# Allegro board 08_038702e.brd (continued)
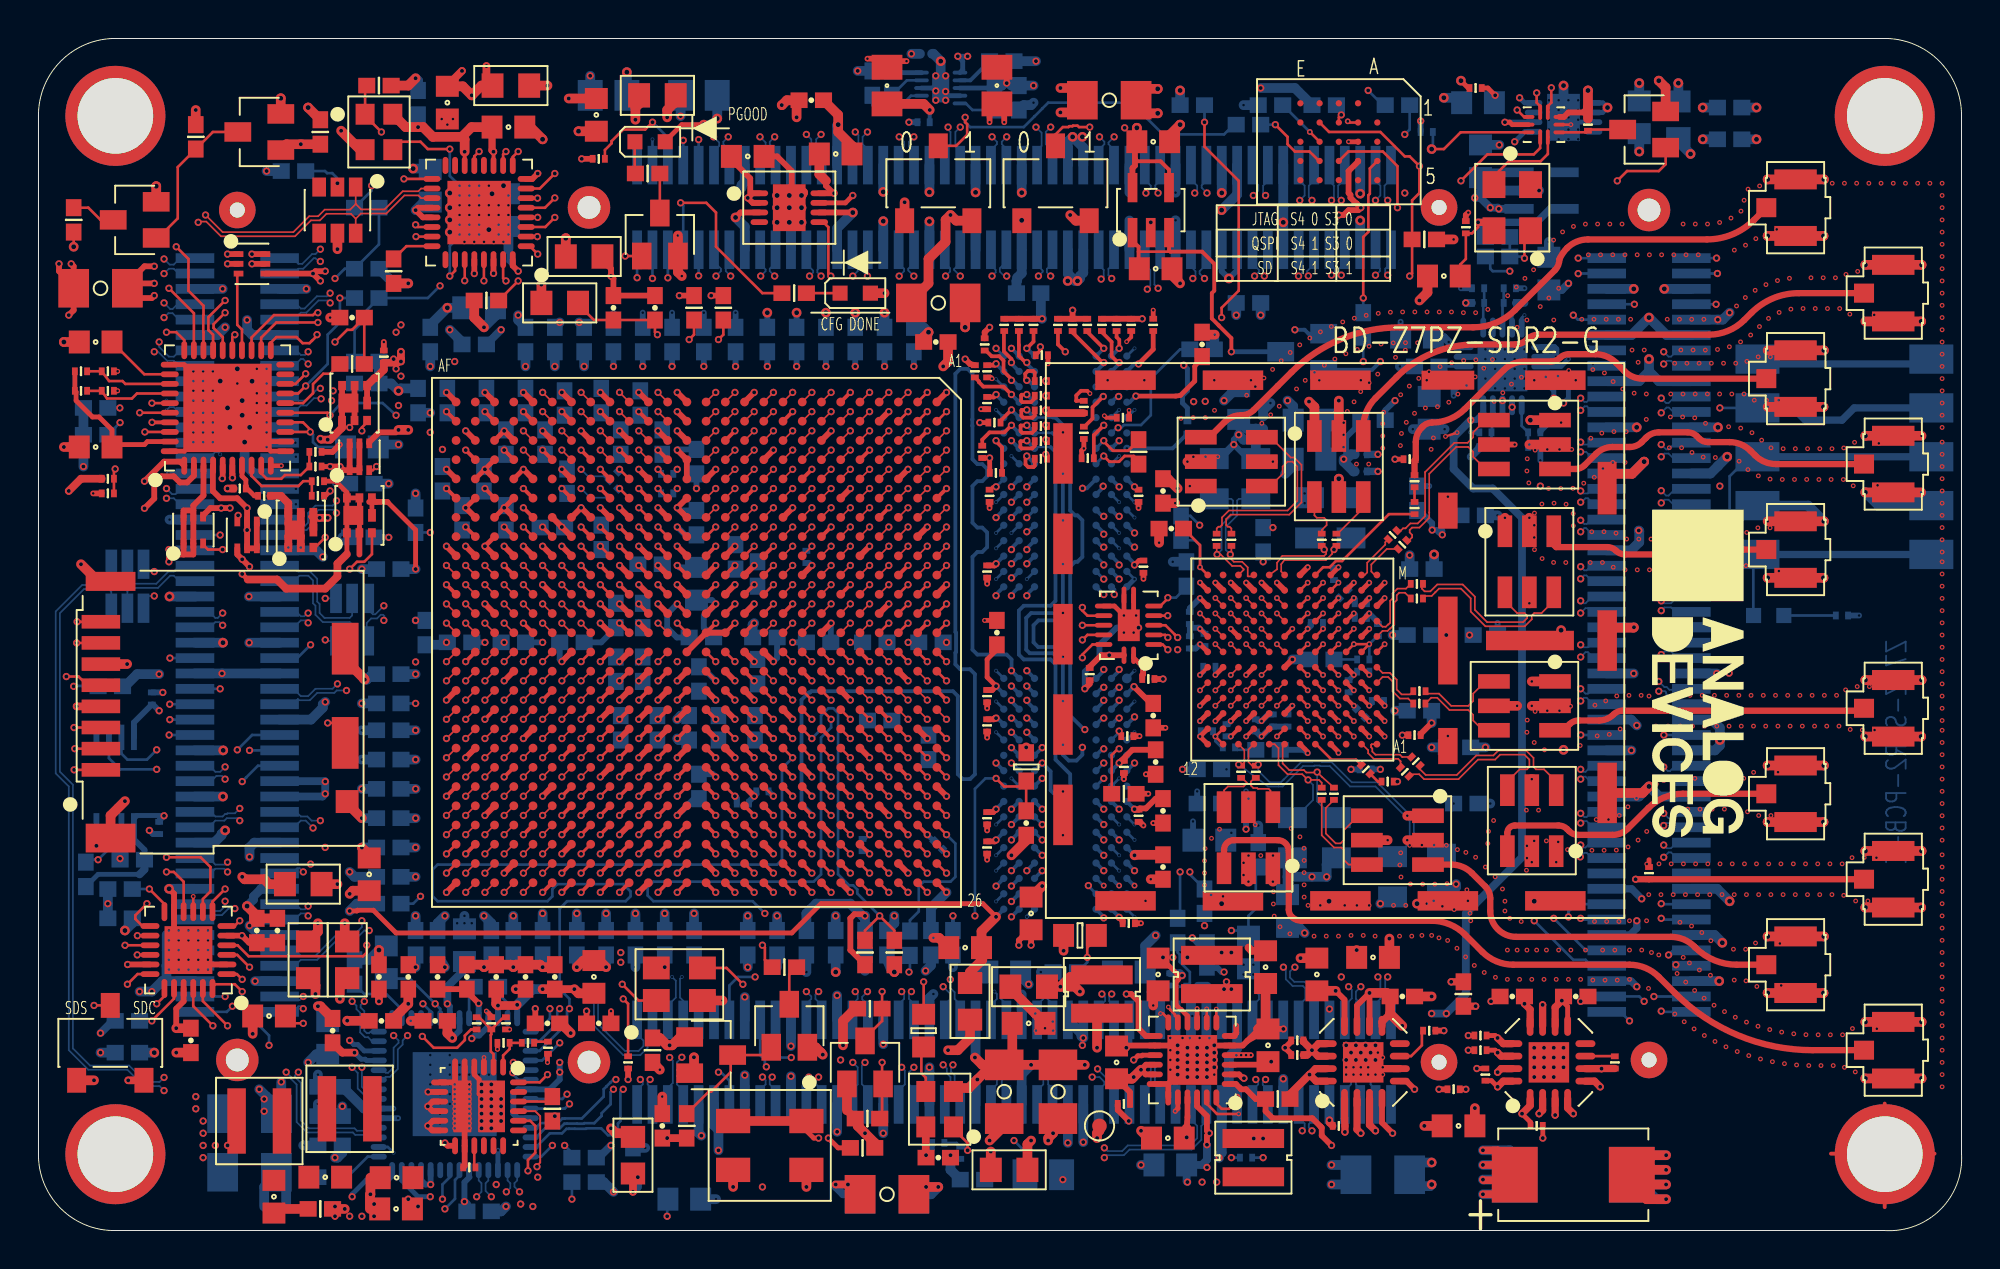
[diagram p0: board, top side]
## Routing (per net, layer and track width the routed paths; a pad name or vN(x,y) marks a point on that pad's centre or on a via; arc(x,y) is an arc through that point) (continued)
  BOTTOM w0.152: U2.F3 v1(52.19,20.31)
DDR3_DQS1_N: length 43.8
  TOP w0.152: U1.L25 v1(37.22,18.59)
  L4_SIG w0.13: v1(54.59,17.94) 54.59,17.91 54.92,17.59 54.92,17.25 54.54,16.87 53.52,16.87 53.14,16.49 53.14,15.85 53.52,15.47 57.44,15.47 57.97,16 57.97,17.43 58.2,17.66 58.62,17.66 58.85,17.43 58.85,15.07 58.62,14.84 57.48,14.84 56.46,13.83 49.05,13.83 48.67,14.21 37.62,14.21 36.5,15.33 36.5,16.51 37.22,17.23 37.36,17.23 37.57,17.44 37.57,17.74 37.41,17.9 37.41,18.16 37.77,18.52 37.77,19 37.64,19.12 37.46,19.12 37.22,18.87 v1(37.22,18.59)
  BOTTOM w0.152: v1(54.59,17.94) 54.59,17.91 U2.B7
DDR3_DQS1_P: length 43.9
  TOP w0.152: U1.L24 v1(37.22,19.59)
  L4_SIG w0.13: v1(37.22,19.59) 37.22,19.24 36.88,18.9 36.88,18.78 36.85,18.74 36.85,18.44 36.88,18.4 36.88,17.78 36.85,17.74 36.85,17.22 36.25,16.62 36.25,15.22 37.52,13.95 48.57,13.95 48.95,13.57 56.57,13.57 57.58,14.59 58.73,14.59 59.11,14.97 59.11,17.53 58.73,17.91 58.09,17.91 57.71,17.53 57.71,16.11 57.33,15.73 53.63,15.73 53.39,15.96 53.39,16.39 53.63,16.62 54.64,16.62 55.17,17.15 55.17,17.69 55.39,17.91 v6(55.39,17.94)
  BOTTOM w0.152: v6(55.39,17.94) 55.37,17.94 U2.C7
DDR3_DQS2_N: length 46
  TOP w0.152: U1.R25 v1(32.22,18.59)
  L3_SIG w0.13: v1(32.22,18.59) 32.57,17.98 32.57,17.25 32.95,16.87 33.56,16.87 34.22,17.53 34.22,20.1 35.07,20.95 37.36,20.95 37.6,20.71 37.6,20.65 37.6,20.33 37.86,20.07 37.86,20.07 37.96,19.98 37.97,19.98 38,19.95 38.36,19.95 38.6,19.71 38.6,19.33 38.96,18.98 39.33,18.98 39.6,18.71 39.6,18.33 39.99,17.95 40.36,17.95 40.57,17.74 40.57,17.26 40.97,16.87 44.36,16.87 44.83,17.33 44.83,17.74 45.07,17.98 45.47,17.98 45.83,18.33 45.83,18.74 46.07,18.98 46.47,18.98 46.83,19.33 46.83,19.62 46.86,19.65 46.86,19.74 47.07,19.95 47.15,19.95 47.18,19.98 47.47,19.98 47.83,20.33 47.83,20.62 49.33,22.13 49.33,30.08 52.25,33 52.25,37.3 51.67,37.88 v1(51.39,37.88)
  BOTTOM w0.152: U3.G3 v1(51.39,37.88)
DDR3_DQS2_P: length 45.9
  TOP w0.152: U1.P25 v1(33.22,18.59)
  L3_SIG w0.13: v1(51.39,37.08) 51.22,37.08 51.11,37.19 51.11,37.38 51.21,37.47 51.71,37.47 52,37.19 52,33.11 49.07,30.19 49.07,22.23 47.57,20.73 47.57,20.44 47.36,20.23 47.07,20.23 47.04,20.2 46.96,20.2 46.6,19.84 46.6,19.76 46.57,19.73 46.57,19.44 46.36,19.23 45.96,19.23 45.57,18.84 45.57,18.44 45.36,18.23 44.96,18.23 44.57,17.84 44.57,17.44 44.26,17.13 41.07,17.13 40.83,17.37 40.83,17.84 40.47,18.2 40.1,18.2 39.86,18.44 39.86,18.81 39.44,19.23 39.07,19.23 38.86,19.44 38.86,19.81 38.47,20.2 38.1,20.2 38.07,20.23 38.07,20.23 37.86,20.44 37.86,20.45 37.86,20.81 37.47,21.2 34.96,21.2 33.96,20.2 33.96,17.63 33.45,17.13 33.05,17.13 32.83,17.35 32.83,18.64 32.95,18.75 33.05,18.75 v1(33.22,18.59)
  BOTTOM w0.152: U3.F3 v1(51.39,37.08)
DDR3_DQS3_N: length 43.6
  TOP w0.152: U1.W25 v1(28.22,18.59)
  L18_SIG w0.13: v1(55.39,33.88) 55.13,34.14 54.16,34.14 53.92,33.91 53.92,31.39 53.39,30.86 53.39,29.45 53.39,29.45 53.39,23.98 52.81,23.4 52.81,23.26 52.45,22.9 49.54,22.9 47.46,24.98 40.01,24.98 39.83,24.79 39.83,24.33 39.44,23.94 39.07,23.94 38.83,23.71 38.83,23.33 38.47,22.98 34.84,22.98 34.39,22.52 34.39,21.9 33.83,21.34 33.83,21.33 33.47,20.98 33.09,20.98 32.83,20.71 32.83,20.55 32.83,20.55 32.83,20.33 32.47,19.98 32.22,19.98 32.19,19.94 32.07,19.94 31.86,19.74 31.86,19.55 31.83,19.52 31.83,19.33 31.78,19.29 31.78,19.23 31.49,18.95 31.31,18.95 31.29,18.96 28.59,18.96 v1(28.22,18.59)
  BOTTOM w0.152: U3.B7 v1(55.39,33.88)
DDR3_DQS3_P: length 43.6
  TOP w0.152: U1.W24 v1(28.22,19.59)
  L18_SIG w0.13: v1(28.22,19.59) 28.59,19.22 31.35,19.22 31.57,19.44 31.57,19.69 31.6,19.72 31.6,19.84 31.96,20.2 32.08,20.2 32.11,20.23 32.36,20.23 32.57,20.44 32.57,20.82 32.99,21.23 33.36,21.23 33.57,21.44 33.57,21.45 34.13,22.01 34.13,22.63 34.73,23.23 38.36,23.23 38.57,23.44 38.57,23.81 38.96,24.2 39.33,24.2 39.57,24.44 39.57,24.9 39.91,25.23 47.57,25.23 49.64,23.16 52.34,23.16 52.55,23.37 52.55,23.5 53.14,24.09 53.14,29.55 53.14,29.55 53.14,30.97 53.67,31.5 53.67,34.02 54.05,34.4 55.11,34.4 55.33,34.61 v1(55.39,34.61)
  BOTTOM w0.152: v1(55.39,34.61) 55.39,34.68 U3.C7
DDR3_ODT: length 52.6
  TOP w0.197: U1.Y22 v1(27.22,21.59) ; R162.1 50.1,40.73 49.79,41.04 v1(49.79,41.08)
  L3_SIG w0.14: v1(49.79,24.31) 49.79,24.32 50.22,24.75 52.38,24.75 53.46,25.83 53.46,32.49 53.63,32.67 53.63,32.73 53.9,33 53.9,37.95 51.94,39.92 50.95,39.92 v1(49.79,41.08)
  L18_SIG w0.14: v1(27.22,21.59) 27.22,21.59 27.61,21.19 29.39,21.19 29.85,21.66 29.85,21.74 30.07,21.95 30.09,21.95 30.58,22.44 30.58,22.5 31.3,23.23 31.37,23.23 31.58,23.44 31.58,23.5 32.3,24.23 32.37,24.23 32.58,24.44 32.58,24.5 33.07,25 38.14,25 38.58,25.44 38.58,25.68 39.12,26.23 39.37,26.23 39.58,26.44 39.58,26.68 40.06,27.16 47.16,27.16 47.58,26.74 47.58,26.53 v1(49.79,24.31)
  BOTTOM w0.197: U3.K1 v1(49.79,41.08) ; U2.K1 v1(49.79,24.31)
DDR3_RAS#: length 54.3
  TOP w0.197: U1.V23 v1(29.22,20.59) ; v1(51.39,40.28) 51.32,40.21 51.32,39.85 51.46,39.71 51.74,39.71 51.8,39.77 R156.1
  L3_SIG w0.14: v1(51.39,40.28) 51.86,40.75 53.14,40.75 53.9,39.99 53.9,38.59 53.93,38.56 53.93,38.45 54.28,38.1 54.28,33 53.9,32.62 53.9,27.41 53.72,27.24 53.72,25.08 52.19,23.55 v1(52.19,23.51)
  L14_SIG w0.14: v1(52.19,23.51) 51.62,23.51 51.54,23.59 51.54,23.79 51.64,23.89 51.64,24.08 51.46,24.27 51.26,24.27 51.1,24.11 50.9,24.11 49.94,23.15 48.77,23.15 47.93,23.99 37.98,23.99 37.87,24.11 37.2,24.11 37.09,24.23 37.07,24.23 36.85,24.44 36.85,24.46 36.37,24.95 35.07,24.95 34.85,24.74 34.85,24.12 34.59,23.85 33.96,23.22 30.28,23.22 29.77,22.71 29.77,21.19 29.9,21.06 30.41,21.06 30.66,20.81 30.66,20.3 30.41,20.05 30.14,20.05 29.6,20.59 v1(29.22,20.59)
  BOTTOM w0.197: U2.J3 v1(52.19,23.51) ; U3.J3 v1(51.39,40.28)
DDR3_RST#: length 86.1
  TOP w0.197: R133.1 52.1,45.76 v1(52.1,45.96) ; U1.H22 v1(40.22,21.59)
  L15_SIG w0.14: v1(52.1,45.96) 51.64,45.5 50.97,45.5 50.6,45.88 v1(50.59,45.88)
  L18_SIG w0.14: v1(50.59,45.88) 50.13,46.34 49.33,46.34 48.69,45.7 48.69,45.07 47.93,44.3 47.93,34.14 49.58,32.49 49.58,30.58 50.59,29.57 v1(50.59,29.11)
  BOTTOM w0.197: v1(40.22,21.59) 40.22,21.67 39.68,22.21 39.68,27.6 40.05,27.98 40.11,27.98 40.18,28.05 47.55,28.05 47.8,27.79 47.8,23.73 48.06,23.48 48.44,23.48 48.69,23.73 48.69,28.94 48.44,29.19 47.93,29.19 47.68,29.45 47.68,30.05 47.71,30.09 47.71,31.09 47.68,31.12 47.68,44.56 47.93,44.81 48.31,44.81 48.57,44.56 48.57,42.19 48.56,42.18 48.56,41.86 48.57,41.85 48.57,40.11 48.82,39.86 49.07,39.86 49.33,39.61 49.33,39.22 49.07,38.97 48.82,38.97 48.57,38.72 48.57,36.81 48.82,36.56 49.07,36.56 49.33,36.3 49.33,35.54 49.07,35.29 48.82,35.29 48.57,35.03 48.57,30.21 48.82,29.95 50.34,29.95 50.6,29.7 50.6,29.12 v1(50.59,29.11) U2.T2 ; v1(50.59,45.88) U3.T2
DDR3_WE#: length 60.5
  TOP w0.197: U1.V22 v1(29.22,21.59) ; R155.1 51.8,41.62 51.67,41.49 51.16,41.49 51.07,41.57 51.07,41.85 51.08,41.87 51.38,41.87 v1(51.39,41.88)
  L7_SIG w0.14: v1(52.19,25.11) 52.02,24.94 51.93,24.94 51.67,24.68 49.64,24.68 49.18,24.22 43.95,24.22 43.7,23.96 43.08,23.96 42.85,23.74 42.85,23.72 42.09,22.95 42.07,22.95 41.85,22.74 41.85,22.72 41.09,21.95 41.07,21.95 40.85,21.74 40.85,21.72 40.09,20.95 40.07,20.95 39.85,20.74 39.85,20.72 39.09,19.95 39.07,19.95 38.85,19.74 38.85,19.72 38.37,19.23 37.37,19.23 37.16,19.02 36.13,19.02 35.58,18.46 35.58,18.44 35.37,18.23 35.34,18.23 34.85,17.74 34.85,16.75 34.45,16.35 34.45,16.34 34.09,15.98 32.95,15.98 32.83,15.86 31.8,15.86 31.55,16.11 30.79,16.11 29.59,17.31 29.59,21.22 v1(29.22,21.59)
  L17_SIG w0.14: v1(52.19,25.11) 52.21,25.13 v1(54.28,25.13)
  BOTTOM w0.127: 52.73,41.48 52.53,41.48 52.52,41.49 52.23,41.49 52.22,41.48 U3.L3
  BOTTOM w0.197: v1(54.28,25.13) 54.28,24.75 53.98,24.44 53.57,24.44 53.27,24.75 53.27,29.7 53.01,29.95 52.83,29.95 52.76,30.02 51.54,30.02 51.36,30.21 51.36,31.86 51.61,32.11 53.01,32.11 53.27,32.37 53.27,40.94 52.73,41.48 ; v1(51.39,41.88) U3.L3 ; U2.L3 v1(52.19,25.11)
DX_0_N: length 57.8
  TOP w0.089: U1.R13 v1(32.22,31.59)
  L15_SIG w0.089: v1(32.22,31.59) 32.18,31.56 32.18,30.97 32.44,30.72 33.58,30.72 34.47,31.6 34.47,32.68 34.97,33.18 35.28,33.18 35.63,33.52 35.63,33.83 35.97,34.18 36.28,34.18 36.63,34.52 36.63,34.83 36.97,35.18 37.28,35.18 37.55,35.45 37.55,35.76 37.97,36.18 39.28,36.18 39.55,36.45 39.55,36.76 39.97,37.18 40.28,37.18 40.63,37.52 40.63,37.83 40.97,38.18 41.28,38.18 41.63,38.52 41.63,38.83 41.97,39.18 42.28,39.18 42.55,39.45 42.55,39.76 42.97,40.18 44.28,40.18 44.55,40.45 44.55,43.97 44.99,44.41 48.57,44.41 48.95,44.79 48.95,45.87 49.54,46.46 49.55,46.47 50.04,46.47 50.04,46.46 50.34,46.46 50.35,46.47 50.84,46.47 50.84,46.46 51.14,46.46 51.15,46.47 51.78,46.47 51.85,46.55 52.34,46.55 52.42,46.46 55.14,46.46 55.15,46.47 55.64,46.47 55.64,46.46 55.94,46.46 55.95,46.47 56.44,46.47 56.44,46.46 65.15,46.46 65.35,46.25 65.69,46.25 65.9,46.47 67.64,46.47 68.25,47.08 68.25,50.63 68.91,51.29 69.9,51.29 70.16,51.04 v1(70.16,49.69)
  BOTTOM w0.089: v1(70.16,49.69) 70.03,49.81 70.03,50.02 70.33,50.32 JX1.100
DX_0_P: length 57.8
  TOP w0.089: U1.R14 v1(32.22,29.59)
  L15_SIG w0.089: v1(69.52,49.69) 69.78,49.94 69.78,50.18 69.71,50.25 69.6,50.25 69.53,50.31 69.53,50.52 69.62,50.6 69.72,50.6 69.9,50.78 69.9,50.93 69.8,51.04 69.01,51.04 68.51,50.53 68.51,46.97 67.75,46.22 66.01,46.22 65.79,46 65.25,46 65.04,46.21 56.34,46.21 56.33,46.21 56.05,46.21 56.05,46.21 55.54,46.21 55.53,46.21 55.25,46.21 55.25,46.21 52.32,46.21 52.24,46.29 51.96,46.29 51.88,46.21 51.25,46.21 51.25,46.21 50.74,46.21 50.73,46.21 50.45,46.21 50.45,46.21 49.94,46.21 49.93,46.21 49.65,46.21 49.65,46.21 49.2,45.76 49.2,44.69 48.67,44.16 45.1,44.16 44.81,43.87 44.81,40.34 44.39,39.92 43.08,39.92 42.88,39.73 42.88,39.42 42.39,38.92 42.08,38.92 41.88,38.73 41.88,38.42 41.39,37.92 41.08,37.92 40.88,37.73 40.88,37.42 40.39,36.92 40.08,36.92 39.88,36.73 39.88,36.42 39.39,35.92 38.08,35.92 37.88,35.73 37.88,35.42 37.39,34.92 37.08,34.92 36.88,34.73 36.88,34.42 36.39,33.92 36.08,33.92 35.88,33.73 35.88,33.42 35.39,32.92 35.08,32.92 34.72,32.57 34.72,31.5 33.69,30.46 32.56,30.46 32.18,30.08 32.18,29.62 v1(32.22,29.59)
  BOTTOM w0.089: v1(69.52,49.69) 69.54,49.69 69.75,49.89 69.75,50.02 69.53,50.24 JX1.98
ETH_MD1_N: length 31.4
  L7_SIG w0.089: v1(16.31,11.92) 16.31,12.94 15.17,14.08 15.17,17.56 14.96,17.77 14.96,18.26 15.17,18.47 15.17,19.01 15.67,19.52 15.67,26.55 15.44,26.78 14.55,26.78 11.63,29.7 9.22,29.7 8.43,30.48 8.43,31.58 8.96,32.11 v1(9.58,32.11)
  BOTTOM w0.089: JX3.53 8.88,32.17 9.2,31.86 9.32,31.86 v1(9.58,32.11) ; U10.27 17.35,9.84 17.14,10.05 16.98,10.05 16.73,10.31 16.73,11.32 16.54,11.51 16.54,11.69 v1(16.31,11.92)
ETH_MD1_P: length 31.5
  L7_SIG w0.089: v1(9.58,31.48) 9.32,31.73 8.94,31.73 8.69,31.48 8.69,30.59 9.32,29.95 11.74,29.95 14.66,27.03 15.55,27.03 15.93,26.65 15.93,19.41 15.42,18.9 15.42,18.36 15.21,18.15 15.21,17.88 15.42,17.67 15.42,14.18 16.56,13.04 16.56,12.14 16.64,12.06 16.64,11.65 16.72,11.57 16.85,11.57 16.94,11.67 v1(16.94,11.92)
  BOTTOM w0.089: v1(9.58,31.48) 9.41,31.64 9.2,31.64 8.93,31.37 JX3.51 ; U10.28 17.27,10.34 17.2,10.27 17.07,10.27 16.94,10.4 16.94,11.41 16.75,11.6 16.75,11.73 v1(16.94,11.92)
ETH_MD2_N: length 29.7
  L7_SIG w0.089: v1(19.19,10.14) 19.19,10.56 18.59,11.16 18.59,11.57 18.8,11.78 18.8,12.06 18.59,12.27 18.59,28.56 15.17,31.99 14.15,31.99 v1(14.02,32.11)
  BOTTOM w0.089: v1(14.02,32.11) 13.98,32.11 13.82,31.95 13.64,31.95 13.42,32.17 JX3.54 ; U10.23 17.91,7.84 18.05,7.99 18.27,7.99 18.68,8.4 18.68,9.42 18.94,9.67 18.94,9.89 v1(19.19,10.14)
ETH_MD2_P: length 29.7
  L7_SIG w0.089: v1(14.02,31.6) 14.15,31.73 15.06,31.73 18.34,28.45 18.34,12.27 18.13,12.06 18.13,11.78 18.34,11.57 18.34,11.05 18.84,10.55 18.84,10.01 18.72,9.89 18.6,9.89 18.47,10.02 v1(18.47,10.14)
  BOTTOM w0.089: v1(18.47,10.14) 18.72,9.89 18.72,9.76 18.47,9.51 18.47,8.49 18.18,8.2 18.06,8.2 17.92,8.34 U10.24 ; v1(14.02,31.6) 13.9,31.73 13.64,31.73 13.28,31.37 JX3.52
ETH_MD3_N: length 43.8
  L7_SIG w0.089: v1(6.02,34.27) 6.02,34.02 5.89,33.89 4.24,33.89 3.65,33.3 3.65,27.62 5.26,26.02 5.26,23.73 7.8,21.19 7.8,14.46 8.05,14.21 11.61,14.21 11.86,13.95 11.86,10.54 12.37,10.04 12.37,9.33 11.91,8.86 11.91,7.53 12.59,6.84 14.91,6.84 15.67,7.6 15.67,8.44 15.76,8.53 15.89,8.53 15.93,8.49 v1(16.31,8.49)
  BOTTOM w0.089: JP2.1 5.46,34.53 5.72,34.27 v1(6.02,34.27) ; v1(16.31,8.49) 16.6,8.2 16.6,7.39 16.98,7 17.14,7 17.3,6.84 U10.21
ETH_MD3_P: length 43.8
  L7_SIG w0.089: v1(16.82,8.49) 16.74,8.57 16.74,8.72 16.63,8.83 15.93,8.83 15.89,8.79 15.66,8.79 15.42,8.55 15.42,7.71 14.81,7.09 12.7,7.09 12.16,7.63 12.16,8.76 12.63,9.22 12.63,10.14 12.12,10.65 12.12,14.06 11.71,14.46 8.16,14.46 8.05,14.56 8.05,21.3 5.51,23.84 5.51,26.12 3.91,27.73 3.91,33.19 4.35,33.64 5.89,33.64 6.02,33.51 v1(6.02,33)
  BOTTOM w0.089: JP1.1 5.46,32.82 5.64,33 v1(6.02,33) ; v1(16.82,8.49) 16.82,7.48 17.07,7.22 17.2,7.22 17.32,7.34 U10.22
ETH_MD4_N: length 39.8
  L7_SIG w0.089: v1(12.88,8.24) 12.88,8.57 13.07,8.76 13.07,12.39 12.75,12.7 12.75,18.84 13.07,19.16 13.07,24.32 11,26.4 10.47,26.4 v3(10.34,26.27)
  L17_SIG w0.089: v1(14.91,32.87) 14.91,32.01 15,31.92 15.19,31.92 15.26,31.86 16.16,31.86 16.56,31.46 16.56,30.36 15.91,29.7 15.27,29.7 11.97,26.4 10.8,26.4 10.67,26.27 v3(10.34,26.27)
  BOTTOM w0.089: JP4.1 v1(14.91,32.87) ; U10.17 17.27,4.84 17.14,4.97 16.47,4.97 16.35,5.1 13.97,5.1 13.43,5.64 13.43,7.59 13.13,7.89 13.13,7.99 v1(12.88,8.24)
ETH_MD4_P: length 39.8
  L7_SIG w0.089: v1(13.51,8.24) 13.51,8.57 13.32,8.76 13.32,12.49 13.01,12.81 13.01,18.74 13.32,19.05 13.32,24.43 11.1,26.65 10.47,26.65 v3(10.34,26.78)
  L17_SIG w0.089: v3(10.34,26.78) 10.67,26.78 10.8,26.65 11.86,26.65 15.17,29.95 15.8,29.95 16.31,30.46 16.31,31.35 16.05,31.6 15.15,31.6 15.09,31.67 14.72,31.67 14.4,31.35 14.4,30.97 14.66,30.72 v1(14.91,30.72)
  BOTTOM w0.089: JP3.1 14.96,30.66 v1(14.91,30.72) ; U10.18 17.35,5.34 17.2,5.19 16.56,5.19 16.44,5.32 14.06,5.32 13.64,5.73 13.64,7.68 13.34,7.98 13.34,8.07 v1(13.51,8.24)
ETH_PHY_LED0: length 26.6
  TOP w0.14: R18.2 v5(1.83,51.16)
  L17_SIG w0.095: v1(6.84,29.77) 6.84,31.53 7.29,31.99 7.29,36.05 6.02,37.32 6.02,37.7 5.01,38.72 3.74,38.72 3.23,39.22 3.23,49.77 v5(1.83,51.16)
  BOTTOM w0.14: JX3.47 v1(6.84,29.77)
ETH_PHY_LED1: length 40.1
  TOP w0.14: v1(37.64,14.84) 37.77,14.71 37.77,14.08 R17.2
  L7_SIG w0.095: v1(19.61,29.57) 19.1,29.06 19.1,27.16 20.12,26.14 25.2,26.14 25.71,25.64 25.71,25.3 26,25 26.34,25 26.6,24.75 26.6,17 28.12,15.48 31.17,15.48 31.8,14.84 v1(37.64,14.84)
  L14_SIG w0.095: v1(14.15,30.46) 14.66,29.95 19.23,29.95 v1(19.61,29.57)
  BOTTOM w0.14: v1(14.15,30.46) 13.46,29.77 JX3.48
FB0V95: length 4.1
  TOP w0.14: R302.2 24.18,11.09 R303.1 ; R302.2 23.55,10.2 23.52,10.17 23.52,9.32 23.66,9.17 U18.2 ; R302.2 22.91,11.09 R49.2
FB1V0: length 5.9
  TOP w0.14: v2(58.75,11.62) 58.75,11.6 58.85,11.5 58.85,11.48 59.1,11.23 59.1,11.17 59.25,11.02 U4.11
  L2_GND w0.203: v2(58.75,11.62) 58.73,11.65 58.73,11.79 v3(58.54,11.98)
  L19_GND w0.203: v4(59.23,12.68) v3(58.54,11.98)
  BOTTOM w0.14: R47.2 59.23,14.46 59.34,14.36 59.34,13.97 59.87,13.44 59.87,12.87 R20.1 v4(59.23,12.68) 59.17,12.74 R23.1
FB1V8: length 24.6
  TOP w0.14: v2(62.41,6.06) 61.28,6.06 60.75,6.6 U4.23
  L2_GND w0.203: v2(62.41,6.06) v3(62.9,6.06)
  L3_SIG w0.095: v1(62.03,15.6) 62.5,15.13 65.14,15.13 66,14.27 66,13.51 65.2,12.71 65.2,8.87 64.31,7.98 64.31,7.47 v3(62.9,6.06)
  L15_SIG w0.095: v3(62.9,6.06) 62.03,5.19 v1(62.03,3.79)
  BOTTOM w0.14: R46.2 v1(62.03,3.79) ; R22.1 63.3,18.78 63.3,16.75 62.92,16.36 R25.1 62.83,15.31 62.54,15.6 v1(62.03,15.6)
FB1V35: length 14.7
  TOP w0.14: R24.1 55.01,15.18 54.54,14.71 v1(54.54,14.21) ; U4.8 v2(60.75,11.53)
  L2_GND w0.203: v3(60.25,12.55) 60.25,12.05 60.75,11.55 v2(60.75,11.53)
  L7_SIG w0.095: v3(60.25,12.55) 60.25,13.32 60.63,13.7 v1(60.63,15.86)
  L15_SIG w0.095: v3(60.25,12.55) 59.49,12.55 58.35,13.7 55.42,13.7 54.92,14.21 v1(54.54,14.21)
  BOTTOM w0.14: R48.2 v1(60.63,15.86) ; v1(54.54,14.21) 54.54,13.95 R21.1
FB_0V95: length 70.1
  TOP w0.14: R49.1 22.49,10.46 22.17,10.14 22.17,9.91 21.77,9.51 20.55,9.51 v1(19.96,10.1)
  L18_SIG w0.095: v1(15.42,49.51) 16.82,48.11 16.82,43.42 16.18,42.78 14.53,42.78 13.75,43.56 9.6,43.56 7.93,41.89 7.93,25.38 7.8,25.25 7.8,12.43 8.43,11.79 8.43,10.27 8.56,10.14 10.21,10.14 10.97,10.9 11.86,10.9 12.37,10.4 16.56,10.4 17.2,11.03 19.03,11.03 v1(19.96,10.1)
  BOTTOM w0.14: R45.2 17.71,51.29 C215.1 15.93,50.02 v1(15.42,49.51)
FB_1V0: length 87
  TOP w0.14: R42.2 C209.1 16.31,46.84 16.05,46.84 v1(15.42,46.21)
  L3_SIG w0.095: v3(59.87,47.48) 60,47.35 60,44.69 59.49,44.18 59.49,43.8 58.22,42.53 58.22,30.21 58.85,29.57 58.85,28.18 58.35,27.67 58.35,23.6 59.49,22.46 59.49,21.98 59.61,21.86 59.61,21.54 59.49,21.42 59.49,20.3 58.85,19.67 58.85,19.16 v1(59.36,18.65)
  L6_SIG w0.095: v3(59.87,47.48) 58.98,48.37 58.98,49.38 57.35,51.02 30.37,51.02 30.25,50.91 27.36,50.91 26.72,50.27 19.74,50.27 17.71,48.24 17.71,47.48 16.44,46.21 v1(15.42,46.21)
  BOTTOM w0.14: v1(59.36,18.65) 59.36,16.36 R47.1
FB_1V8: length 114.4
  L3_SIG w0.095: v3(61.01,47.48) 61.14,47.35 61.14,44.69 58.73,42.27 58.73,37.07 60.72,35.07 60.72,24.24 60.63,24.15 60.63,19.79 60.89,19.54 60.89,17 61.65,16.24 62.28,16.24 63.17,15.35 65.33,15.35 66.22,14.46 66.22,12.3 65.46,11.54 65.46,7.6 64.44,6.59 64.44,4.55 v1(63.68,3.79)
  L6_SIG w0.095: v3(18.59,52.69) 20.88,54.97 24.82,54.97 25.2,54.59 29.77,54.59 32.69,51.67 59.23,51.67 61.01,49.89 v3(61.01,47.48)
  L18_SIG w0.095: v3(18.59,52.69) 17.96,52.05 17.96,48.75 19.48,47.23 19.48,44.81 19.36,44.69 19.36,42.65 19.1,42.4 v1(18.59,42.4)
  BOTTOM w0.14: v1(18.59,42.4) 17.9,43.03 R41.2 16.44,43.1 C207.1 ; v1(63.68,3.79) R46.1
FB_1V35: length 79.9
  L3_SIG w0.095: v3(58.22,47.48) 57.84,47.1 57.84,29.83 58.22,29.45 58.22,28.94 57.84,28.56 57.84,19.29 58.85,18.27 59.49,18.27 v1(59.87,18.65)
  L6_SIG w0.095: v1(20.88,49.13) 21.39,48.62 26.47,48.62 27.99,50.15 31.17,50.15 31.68,50.65 55.55,50.65 56.57,49.64 56.57,48.88 57.96,47.48 v3(58.22,47.48)
  BOTTOM w0.14: v1(20.88,49.13) 20.25,48.5 R44.2 17.07,47.86 17.07,47.48 16.44,46.84 C213.1 ; R48.1 59.87,18.52 v1(59.87,18.65)
FPGA_DONE: length 31.6
  TOP w0.14: R172.2 37.64,48.75 35.23,51.16 35.23,52.94 34.72,53.45 v1(33.39,53.45) ; U1.W9 v1(28.22,35.59)
  L7_SIG w0.095: v1(28.22,35.59) 28.22,35.64 28.75,36.18 28.75,45.7 30.53,47.48 30.53,49.64 33.53,52.63 33.53,53.31 v1(33.39,53.45)
  BOTTOM w0.14: JX1.8 33.53,53.31 v1(33.39,53.45)
FPGA_VBATT: length 114.7
  TOP w0.14: U1.V15 v1(29.22,28.59) ; R9.2 v1(24.94,49.38)
  L7_SIG w0.203: v1(29.22,28.59) 29.29,28.59 29.77,29.06 29.77,30.33 29.14,30.97 27.99,30.97 27.61,31.35 27.61,44.94 25.45,47.1 25.45,48.88 v1(24.94,49.38)
  L14_SIG w0.203: v3(77.9,60.43) 52.04,60.43 52.03,60.42 51.71,60.42 51.69,60.43 49.2,60.43 48.44,59.67 47.34,59.67 47.33,59.66 46.5,59.66 46.49,59.67 35.99,59.67 33.53,57.21 v1(33.53,56.7) 33.53,56.19 27.23,49.89 25.96,49.89 25.45,49.38 v1(24.94,49.38)
  L15_SIG w0.203: v1(78.79,43.29) 79.81,44.3 80.44,44.3 80.82,44.69 80.82,47.61 79.68,48.75 74.98,48.75 74.47,49.26 74.47,50.65 77.33,53.51 78.09,53.51 79.05,54.46 79.05,55.23 79.94,56.12 79.94,60.05 79.55,60.43 v3(77.9,60.43)
  BOTTOM w0.14: JX1.7 v1(33.53,56.7)
  BOTTOM w0.254: v1(78.79,43.29) 78.79,43.67 78.52,43.94 U24.20
GPO0: length 42.2
  TOP w0.14: v6(64.4,25.69) U17.B7
  L7_SIG w0.095: v1(87.26,50.57) 81.16,50.57 80.82,50.91 79.56,50.91 76.89,48.24 76.89,47.23 73.59,43.92 73.59,36.05 73.2,35.67 73.2,33 70.16,29.95 69.01,29.95 67.9,28.84 67.9,28.77 67.72,28.59 67.65,28.59 67.1,28.04 67.1,27.97 66.92,27.79 66.85,27.79 66.3,27.24 66.3,27.17 66.12,26.99 66.05,26.99 64.75,25.69 v6(64.4,25.69)
  BOTTOM w0.14: JX4.1 v1(87.26,50.57)
GPO1: length 33.5
  TOP w0.14: v6(66,25.69) U17.B6
  L7_SIG w0.095: v1(80.06,50.57) 79.85,50.57 78.16,48.88 78.16,47.1 75.24,44.18 75.24,41.26 74.73,40.75 74.73,36.81 73.59,35.67 73.59,32.87 70.16,29.45 69.39,29.45 69.14,29.19 69.07,29.19 68.9,29.02 68.9,28.95 68.34,28.39 68.27,28.39 68.1,28.22 68.1,28.15 67.54,27.59 67.47,27.59 67.3,27.42 67.3,27.35 66.74,26.79 66.67,26.79 66.5,26.62 66.5,26.55 66,26.05 v6(66,25.69)
  BOTTOM w0.14: JX4.2 v1(80.06,50.57)
GPO2: length 40.1
  TOP w0.14: v6(66.8,25.69) U17.B5
  L7_SIG w0.095: v1(87.3,49.77) 86.93,50.15 79.81,50.15 78.79,49.13 78.79,46.84 75.62,43.67 75.62,41 75.24,40.62 75.24,36.68 73.97,35.41 73.97,32.58 69.82,28.43 69.01,28.43 68.7,28.11 68.7,27.97 68.52,27.79 68.38,27.79 67.9,27.31 67.9,27.17 67.72,26.99 67.58,26.99 67.1,26.51 67.1,26.37 66.8,26.07 v6(66.8,25.69)
  BOTTOM w0.14: JX4.3 v1(87.3,49.77)
GPO3: length 33.9
  TOP w0.14: v6(67.6,25.69) U17.B4
  L7_SIG w0.095: v1(80.06,49.77) 80.57,49.26 80.57,47.35 79.68,46.46 79.43,46.46 78.41,45.45 78.41,40.49 76.63,38.72 76.63,31.99 73.35,28.71 72.78,28.71 72.55,28.47 72.55,28.14 71.32,26.91 70.89,26.91 70.68,26.69 70.4,26.69 70.18,26.91 69.14,26.91 68.89,26.65 68.89,26.52 68.36,25.99 68.27,25.99 67.97,25.69 v6(67.6,25.69)
  BOTTOM w0.14: JX4.4 80.06,49.77 v1(80.06,49.77)
INIT_B_0_JX2_09: length 57.9
  TOP w0.14: v1(35.36,46.34) 35.61,46.59 R168.2 ; U1.R8 v1(32.22,36.59)
  L15_SIG w0.095: v1(35.36,46.34) 34.98,46.34 32.56,43.91 32.56,37.45 32.31,37.2 32.31,36.68 v1(32.22,36.59)
  L18_SIG w0.095: v1(32.22,36.59) 32.73,36.59 33.07,36.25 33.89,36.25 34.88,35.26 34.88,34.45 35.21,34.11 35.21,34.07 35.56,33.73 35.56,33.06 35.88,32.74 35.88,32.45 36.07,32.25 36.37,32.25 36.88,31.74 36.88,31.45 37.07,31.25 37.37,31.25 38.79,29.83 38.79,27.95 38.65,27.82 38.65,27.41 38.4,27.15 32.98,27.15 32.65,26.82 32.65,26.2 32.61,26.15 30.92,26.15 30.66,25.89 30.66,25.55 30.36,25.25 30.07,25.25 29.55,24.73 29.55,24.45 29.36,24.25 29.07,24.25 28.55,23.73 28.55,23.45 28.36,23.25 26.88,23.25 26.6,22.97 26.6,20.17 26.84,19.93 27.36,19.93 27.61,19.67 27.61,18.14 27.83,17.93 28.36,17.93 28.56,17.73 28.56,17.04 28.78,16.82 28.78,16.28 29.35,15.7 30.37,15.7 32.15,13.92 32.15,13.77 32.22,13.7 32.22,13.4 33.07,12.55 v3(33.96,12.55)
  L19_GND w0.203: v4(34.33,12.19) v3(33.96,12.55)
  BOTTOM w0.14: JX2.9 v4(34.33,12.19)
IO_00_12_JX4: length 67.4
  TOP w0.14: U1.W14 v1(28.22,29.59)
  L14_SIG w0.095: v1(28.22,29.59) 28.26,29.59 28.88,30.21 34.09,30.21 34.34,30.46 34.34,32.5 34.97,33.13 36.5,33.13 36.76,33.38 36.76,34.91 37.1,35.25 37.36,35.25 37.55,35.45 37.55,35.45 38.28,36.18 38.53,36.18 38.79,36.43 38.79,36.81 39.04,37.07 41.33,37.07 41.88,37.61 41.88,37.73 43.07,38.93 43.19,38.93 43.88,39.61 43.88,39.73 45.39,41.25 46.36,41.25 46.56,41.45 46.88,41.45 47.07,41.25 47.36,41.25 47.62,41.51 54.48,41.51 55.05,40.94 55.05,40.94 55.25,40.74 61.13,40.74 61.77,41.38 61.77,41.86 62.25,42.34 62.85,42.34 64.19,43.67 66.65,43.67 69.06,46.08 72.7,46.08 75.74,49.13 79.05,49.13 80.19,47.99 v3(80.19,46.08)
  L19_GND w0.203: v3(80.19,46.08) 80.32,45.96 v4(80.57,45.96)
  BOTTOM w0.14: v4(80.57,45.96) 80.75,45.77
IO_00_13_JX2: length 30.2
  TOP w0.14: U1.V19 v1(29.22,24.59)
  L17_SIG w0.095: v1(37.26,13.19) 35.99,13.19 34.85,12.05 32.95,12.05 v3(32.44,12.55)
  L18_SIG w0.095: v3(32.44,12.55) 31.93,13.06 31.93,13.82 30.28,15.48 29.26,15.48 28.55,16.18 28.55,16.72 28.23,17.05 27.27,17.05 26.88,17.45 26.88,18.72 26.72,18.88 26.72,18.9 26.38,19.25 25.07,19.25 24.88,19.45 24.88,22.73 25.07,22.93 25.07,22.97 26.55,24.45 26.55,24.45 27.1,25 28.8,25 v1(29.22,24.59)
  BOTTOM w0.14: JX2.13 35.93,12.74 36.37,13.19 v1(37.26,13.19)
IO_00_33_JX1: length 73
  TOP w0.14: U1.L9 v1(37.22,35.59)
  L17_SIG w0.095: v1(37.22,35.59) 37.22,35.59 36.76,36.05 36.12,36.05 35.61,36.56 35.61,39.73 35.1,40.25 35.07,40.25 34.26,41.07 34.26,45.08 33.64,45.7 22.91,45.7 22.53,46.08 22.53,48.37 22.91,48.75 32.31,48.75 32.56,49 43.36,49 43.61,49.26 43.61,49.89 43.87,50.15 44.76,50.15 45.01,50.4 45.01,51.04 44.76,51.29 31.93,51.29 31.55,51.67 31.55,55.35 31.93,55.73 33.95,55.73 34.33,56.12 v1(34.33,56.74)
  BOTTOM w0.14: JX1.9 v1(34.33,56.74)
IO_00_34_AD9361_CLKSEL: length 62.7
  TOP w0.14: v1(82.09,54.59) 82.6,55.1 84.25,55.1 84.61,55.46 Q6.1 ; U1.K11 v1(38.22,33.59)
  L7_SIG w0.095: v1(82.09,54.59) 77.4,49.89 v1(76.51,49.89) 76.51,49.26 v3(74.73,47.48)
  L14_SIG w0.095: v3(74.73,47.48) 74.47,47.23 74.47,46.46 72.7,44.69 68.25,44.69 66.09,42.53 64.31,42.53 63.93,42.15 63.93,40.75 63.55,40.37 61.52,40.37 61.09,39.94 55.09,39.94 54.29,40.74 49.65,40.74 49.64,40.75 48.95,40.75 48.31,40.11 45.14,40.11 44.56,39.53 44.56,39.45 41.16,36.05 39.04,36.05 38.79,35.8 38.79,35.41 38.41,35.03 38.03,35.03 37.77,34.78 37.77,34.03 v1(38.22,33.59)
  BOTTOM w0.14: v1(76.51,49.89) 75.62,49.89 75.49,50.02 75.49,50.4 R54.1
IO_00_35_AD9361_RST: length 39.2
  TOP w0.14: v6(66.8,32.89) U17.K5 ; U1.H16 v1(40.22,27.59)
  L6_SIG w0.095: v1(40.22,27.59) 40.22,27.19 39.68,26.65 39.68,26.52 39.3,26.14 38.15,26.14 37.64,26.65 37.64,28.68 38.03,29.06 39.3,29.06 39.88,29.65 39.88,29.73 40.07,29.93 40.26,29.93 40.86,30.53 40.86,30.73 41.06,30.93 41.26,30.93 41.51,31.18 49.21,31.18 49.3,31.1 56.98,31.1 57.06,31.01 57.37,31.01 57.71,31.35 57.71,31.6 58.6,32.49 59.11,32.49 59.87,31.73 66.09,31.73 66.47,32.11 66.47,32.57 v6(66.8,32.89)
